# KiCad board Panel_R0.5.1_300x300_2layer_step1.kicad_pcb (continued)
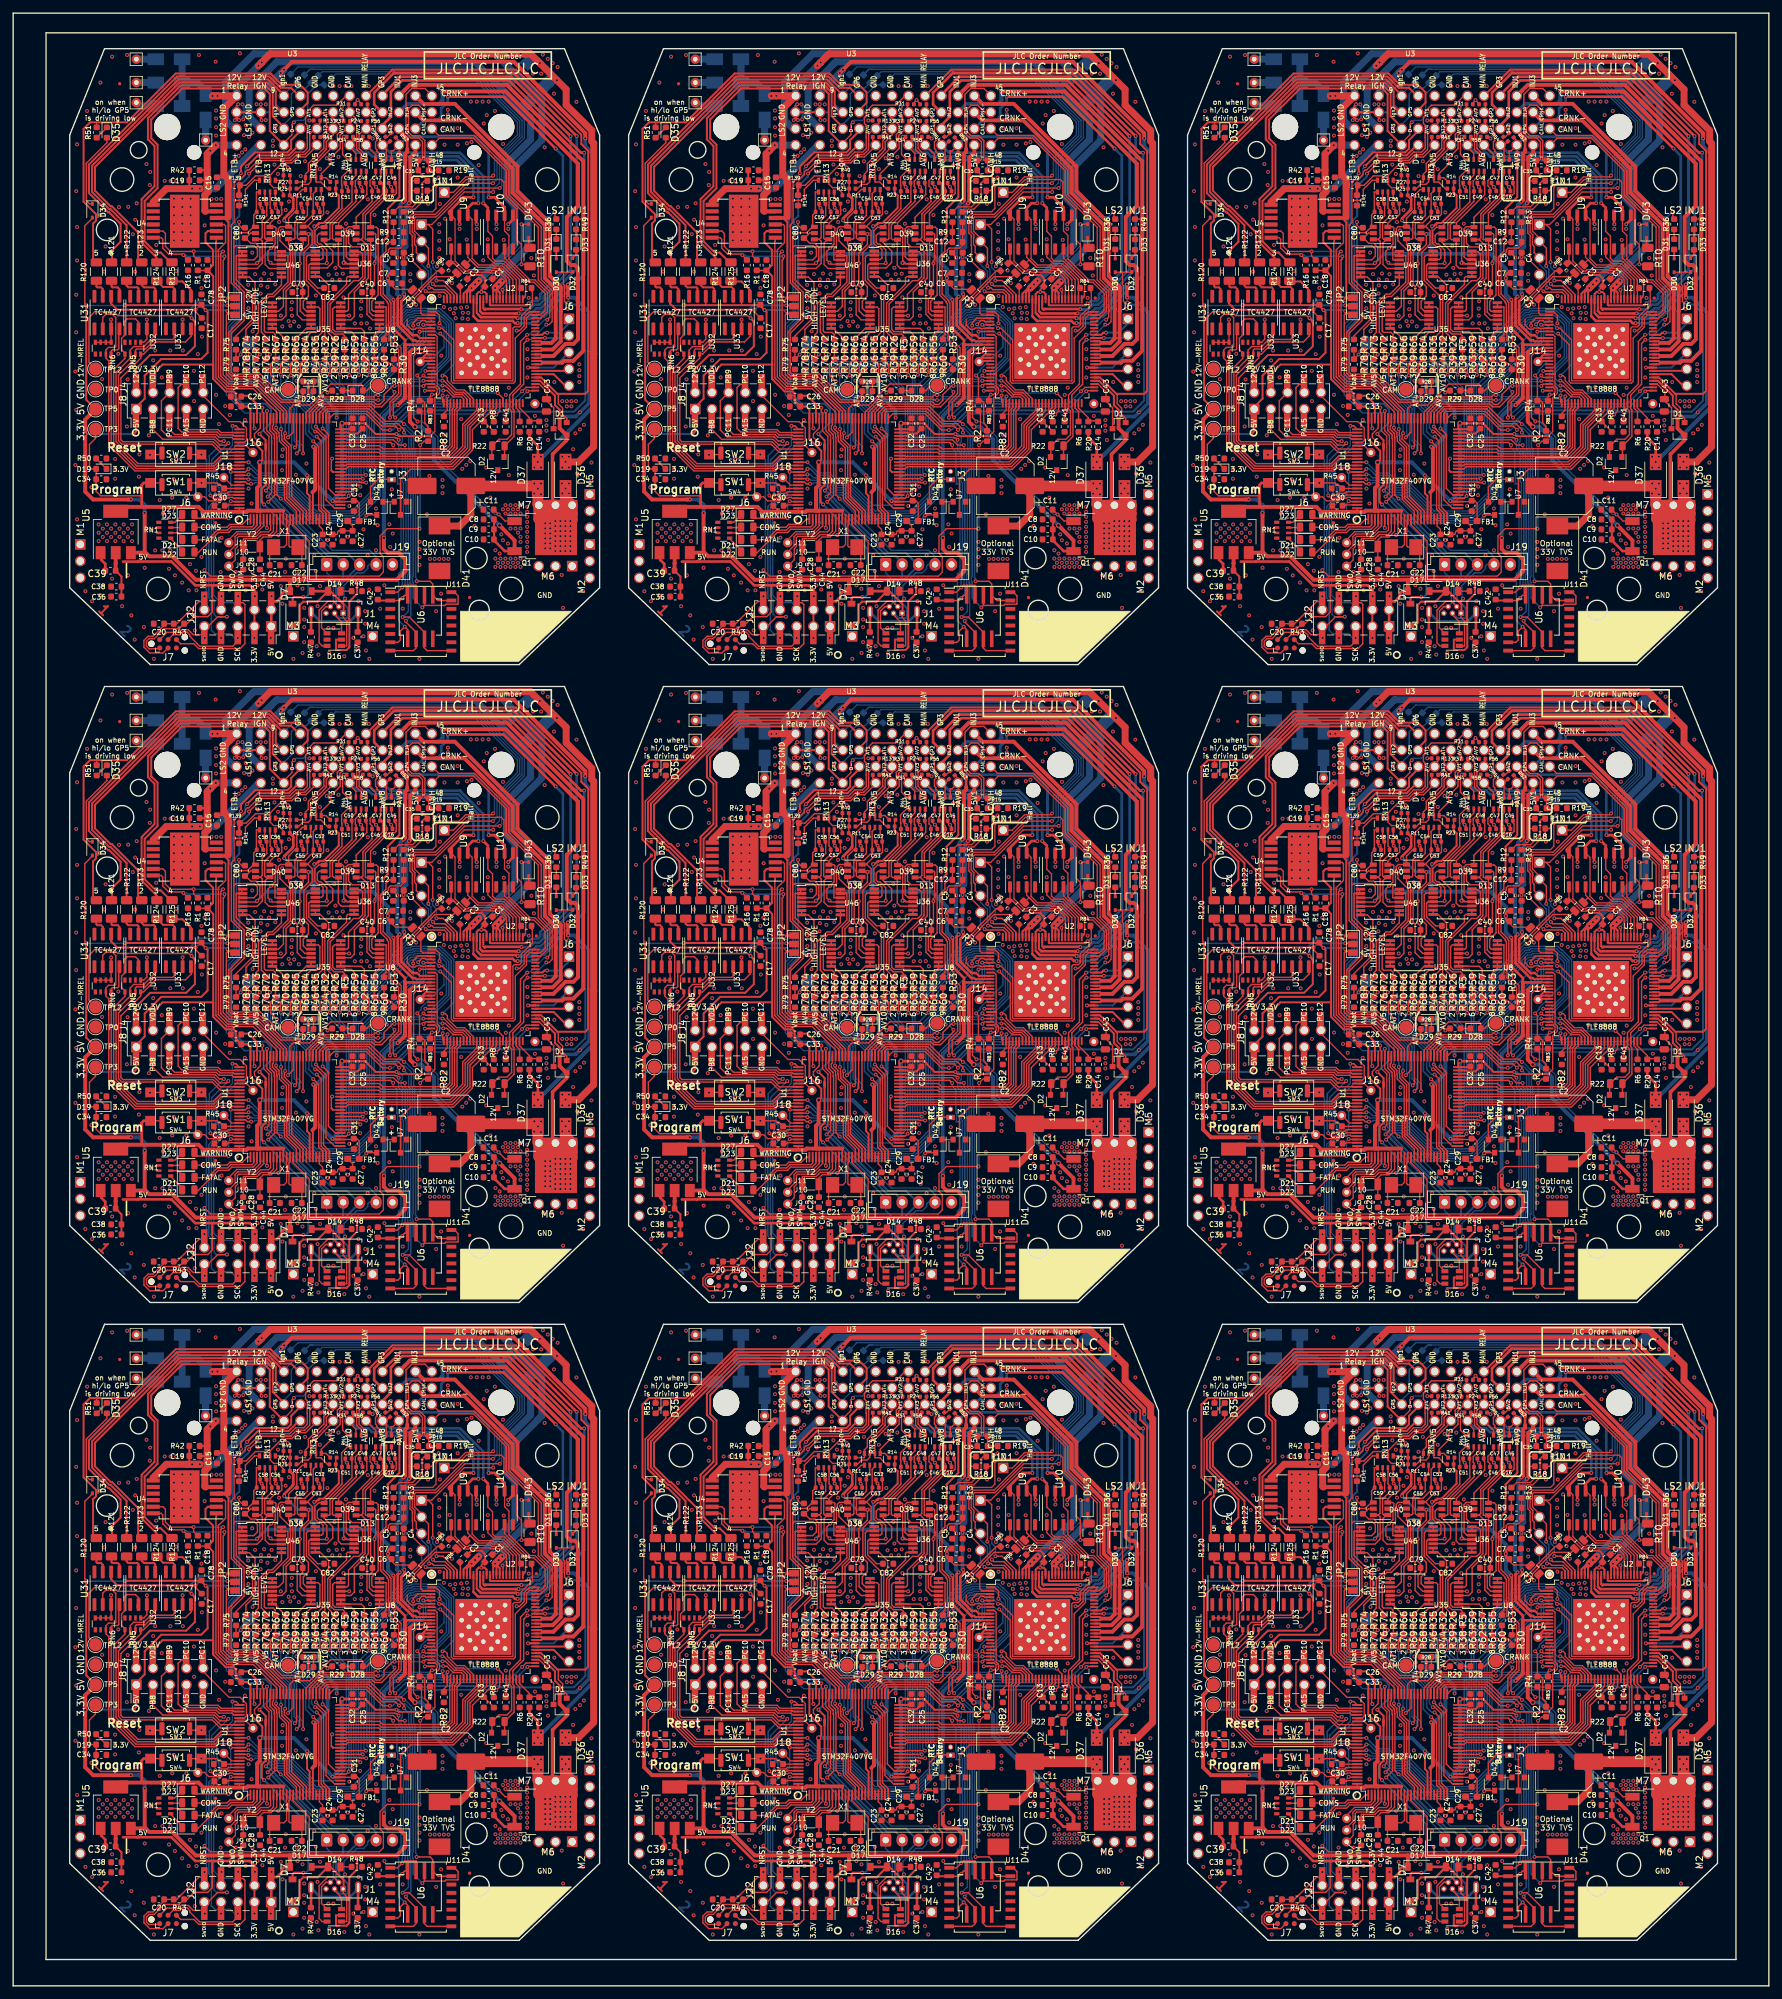
[diagram p0: board, top side]
## Routing (per net, layer and track width the routed paths; a pad name or vN(x,y) marks a point on that pad's centre or on a via; arc(x,y) is an arc through that point) (continued)
/CANH: length 586.1
  Top w0.203: 162.84,269.46 164.86,267.44 164.86,259.43 166.63,257.66 166.63,255.37 166.61,255.35 166.61,253.77 v1(166.22,253.38) ; 247.84,269.46 249.86,267.44 249.86,259.43 251.63,257.66 251.63,255.37 251.61,255.35 251.61,253.77 v1(251.22,253.38) ; 77.84,172.46 79.86,170.44 79.86,162.43 81.63,160.66 81.63,158.37 81.61,158.35 81.61,156.77 v1(81.22,156.38) ; 162.84,172.46 164.86,170.44 164.86,162.43 166.63,160.66 166.63,158.37 166.61,158.35 166.61,156.77 v1(166.22,156.38) ; v1(251.22,156.38) 251.61,156.77 251.61,158.35 251.63,158.37 251.63,160.66 249.86,162.43 249.86,170.44 247.84,172.46 ; v1(81.22,59.38) 81.61,59.77 81.61,61.35 81.63,61.37 81.63,63.66 79.86,65.43 79.86,73.44 77.84,75.46 ; 162.84,75.46 164.86,73.44 164.86,65.43 166.63,63.66 166.63,61.37 166.61,61.35 166.61,59.77 v1(166.22,59.38) ; 247.84,75.46 249.86,73.44 249.86,65.43 251.63,63.66 251.63,61.37 251.61,61.35 251.61,59.77 v1(251.22,59.38) ; v1(81.22,253.38) 81.61,253.77 81.61,255.35 81.63,255.37 81.63,257.66 79.86,259.43 79.86,267.44 77.84,269.46
  Top w0.216: 162.84,269.46 160,272.3 160,276 155.02,280.98 149.8,280.98 148.68,279.87 ; 157.8,234.19 157.8,232.5 ; R22#2.1 158.86,235.2 160.1,235.2 160.8,235.9 160.8,239.5 160.5,239.8 U2#2.46 160.5,241.95 162.15,243.6 162.15,250.07 v1(163.17,251.09) ; 247.84,269.46 245,272.3 245,276 240.02,280.98 234.8,280.98 233.68,279.87 ; 242.8,234.19 242.8,232.5 ; R22#3.1 243.86,235.2 245.1,235.2 245.8,235.9 245.8,239.5 245.5,239.8 U2#3.46 245.5,241.95 247.15,243.6 247.15,250.07 v1(248.17,251.09) ; 247.84,172.46 245,175.3 245,179 240.02,183.98 234.8,183.98 233.68,182.87 ; 77.84,172.46 75,175.3 75,179 70.02,183.98 64.8,183.98 63.68,182.87 ; 72.8,137.19 72.8,135.5 ; R22#6.1 73.86,138.2 75.1,138.2 75.8,138.9 75.8,142.5 75.5,142.8 U2#4.46 75.5,144.95 77.15,146.6 77.15,153.07 v1(78.17,154.09) ; 162.84,172.46 160,175.3 160,179 155.02,183.98 149.8,183.98 148.68,182.87 ; 157.8,137.19 157.8,135.5 ; R22#5.1 158.86,138.2 160.1,138.2 160.8,138.9 160.8,142.5 160.5,142.8 U2#6.46 160.5,144.95 162.15,146.6 162.15,153.07 v1(163.17,154.09) ; 242.8,137.19 242.8,135.5 ; R22#4.1 243.86,138.2 245.1,138.2 245.8,138.9 245.8,142.5 245.5,142.8 U2#5.46 245.5,144.95 247.15,146.6 247.15,153.07 v1(248.17,154.09) ; 247.84,75.46 245,78.3 245,82 240.02,86.98 234.8,86.98 233.68,85.87 ; 77.84,75.46 75,78.3 75,82 70.02,86.98 64.8,86.98 63.68,85.87 ; 72.8,40.19 72.8,38.5 ; R22#9.1 73.86,41.2 75.1,41.2 75.8,41.9 75.8,45.5 75.5,45.8 U2#7.46 75.5,47.95 77.15,49.6 77.15,56.07 v1(78.17,57.09) ; 162.84,75.46 160,78.3 160,82 155.02,86.98 149.8,86.98 148.68,85.87 ; v1(163.17,57.09) 162.15,56.07 162.15,49.6 160.5,47.95 U2#9.46 160.5,45.8 160.8,45.5 160.8,41.9 160.1,41.2 158.86,41.2 R22#8.1 ; 157.8,40.19 157.8,38.5 ; R22#7.1 243.86,41.2 245.1,41.2 245.8,41.9 245.8,45.5 245.5,45.8 U2#8.46 245.5,47.95 247.15,49.6 247.15,56.07 v1(248.17,57.09) ; 242.8,40.19 242.8,38.5 ; 63.68,279.87 64.8,280.98 70.02,280.98 75,276 75,272.3 77.84,269.46 ; v1(78.17,251.09) 77.15,250.07 77.15,243.6 75.5,241.95 U2.46 75.5,239.8 75.8,239.5 75.8,235.9 75.1,235.2 73.86,235.2 R22.1 ; 72.8,234.19 72.8,232.5
  Bottom w0.203: v1(163.17,251.09) 163.51,251.09 165.8,253.38 v1(166.22,253.38) ; v1(248.17,251.09) 248.51,251.09 250.8,253.38 v1(251.22,253.38) ; v1(78.17,154.09) 78.51,154.09 80.8,156.38 v1(81.22,156.38) ; v1(163.17,154.09) 163.51,154.09 165.8,156.38 v1(166.22,156.38) ; v1(251.22,156.38) 250.8,156.38 248.51,154.09 v1(248.17,154.09) ; v1(81.22,59.38) 80.8,59.38 78.51,57.09 v1(78.17,57.09) ; v1(163.17,57.09) 163.51,57.09 165.8,59.38 v1(166.22,59.38) ; v1(251.22,59.38) 250.8,59.38 248.51,57.09 v1(248.17,57.09) ; v1(78.17,251.09) 78.51,251.09 80.8,253.38 v1(81.22,253.38)
/CANL: length 580
  Top w0.203: 163.01,269.81 165.3,267.51 165.3,259.49 166.98,257.8 166.98,255.22 166.97,255.2 166.97,253.09 166.51,252.64 v1(166.09,252.64) ; v1(251.09,252.64) 251.51,252.64 251.97,253.09 251.97,255.2 251.98,255.22 251.98,257.8 250.3,259.49 250.3,267.51 248.01,269.81 ; 78.01,172.81 80.3,170.51 80.3,162.49 81.98,160.8 81.98,158.22 81.97,158.2 81.97,156.09 81.51,155.64 v1(81.09,155.64) ; v1(166.09,155.64) 166.51,155.64 166.97,156.09 166.97,158.2 166.98,158.22 166.98,160.8 165.3,162.49 165.3,170.51 163.01,172.81 ; 248.01,172.81 250.3,170.51 250.3,162.49 251.98,160.8 251.98,158.22 251.97,158.2 251.97,156.09 251.51,155.64 v1(251.09,155.64) ; v1(81.09,58.64) 81.51,58.64 81.97,59.09 81.97,61.2 81.98,61.22 81.98,63.8 80.3,65.49 80.3,73.51 78.01,75.81 ; v1(166.09,58.64) 166.51,58.64 166.97,59.09 166.97,61.2 166.98,61.22 166.98,63.8 165.3,65.49 165.3,73.51 163.01,75.81 ; v1(251.09,58.64) 251.51,58.64 251.97,59.09 251.97,61.2 251.98,61.22 251.98,63.8 250.3,65.49 250.3,73.51 248.01,75.81 ; v1(81.09,252.64) 81.51,252.64 81.97,253.09 81.97,255.2 81.98,255.22 81.98,257.8 80.3,259.49 80.3,267.51 78.01,269.81
  Top w0.216: 163.01,269.81 160.37,272.45 160.37,276.15 155.12,281.4 149.71,281.4 U3#2.47 ; v1(163.22,250.34) 162.64,249.76 162.64,243.57 161,241.93 U2#2.47 161,239.82 161.17,239.65 161.17,235.63 R22#2.2 159.74,232.59 D2#2.1 ; 248.01,269.81 245.37,272.45 245.37,276.15 240.12,281.4 234.71,281.4 U3#3.47 ; v1(248.22,250.34) 247.64,249.76 247.64,243.57 246,241.93 U2#3.47 246,239.82 246.17,239.65 246.17,235.63 R22#3.2 244.74,232.59 D2#3.1 ; D2#5.1 244.74,135.59 R22#4.2 246.17,138.63 246.17,142.65 246,142.82 U2#5.47 246,144.93 247.64,146.57 247.64,152.76 v1(248.22,153.34) ; 248.01,172.81 245.37,175.45 245.37,179.15 240.12,184.4 234.71,184.4 U3#5.47 ; 78.01,172.81 75.37,175.45 75.37,179.15 70.12,184.4 64.71,184.4 U3#4.47 ; v1(78.22,153.34) 77.64,152.76 77.64,146.57 76,144.93 U2#4.47 76,142.82 76.17,142.65 76.17,138.63 R22#6.2 74.74,135.59 D2#4.1 ; 163.01,172.81 160.37,175.45 160.37,179.15 155.12,184.4 149.71,184.4 U3#6.47 ; v1(163.22,153.34) 162.64,152.76 162.64,146.57 161,144.93 U2#6.47 161,142.82 161.17,142.65 161.17,138.63 R22#5.2 159.74,135.59 D2#6.1 ; D2#8.1 244.74,38.59 R22#7.2 246.17,41.63 246.17,45.65 246,45.82 U2#8.47 246,47.93 247.64,49.57 247.64,55.76 v1(248.22,56.34) ; 248.01,75.81 245.37,78.45 245.37,82.15 240.12,87.4 234.71,87.4 U3#7.47 ; 78.01,75.81 75.37,78.45 75.37,82.15 70.12,87.4 64.71,87.4 U3#8.47 ; v1(78.22,56.34) 77.64,55.76 77.64,49.57 76,47.93 U2#7.47 76,45.82 76.17,45.65 76.17,41.63 R22#9.2 74.74,38.59 D2#7.1 ; 163.01,75.81 160.37,78.45 160.37,82.15 155.12,87.4 149.71,87.4 U3#9.47 ; D2#9.1 159.74,38.59 R22#8.2 161.17,41.63 161.17,45.65 161,45.82 U2#9.47 161,47.93 162.64,49.57 162.64,55.76 v1(163.22,56.34) ; 78.01,269.81 75.37,272.45 75.37,276.15 70.12,281.4 64.71,281.4 U3.47 ; D2.1 74.74,232.59 R22.2 76.17,235.63 76.17,239.65 76,239.82 U2.47 76,241.93 77.64,243.57 77.64,249.76 v1(78.22,250.34)
  Bottom w0.203: v1(163.22,250.34) 163.79,250.34 v1(166.09,252.64) ; v1(248.22,250.34) 248.79,250.34 v1(251.09,252.64) ; v1(248.22,153.34) 248.79,153.34 v1(251.09,155.64) ; v1(78.22,153.34) 78.79,153.34 v1(81.09,155.64) ; v1(163.22,153.34) 163.79,153.34 v1(166.09,155.64) ; v1(248.22,56.34) 248.79,56.34 v1(251.09,58.64) ; v1(78.22,56.34) 78.79,56.34 v1(81.09,58.64) ; v1(163.22,56.34) 163.79,56.34 v1(166.09,58.64) ; v1(81.09,252.64) 78.79,250.34 v1(78.22,250.34)
/CRANK: length 241.8
  Top w0.203: U2#2.21 147.7,244.6 v1(147.4,244.9) ; U2#3.21 232.7,244.6 v1(232.4,244.9) ; U2#4.21 62.7,147.6 v1(62.4,147.9) ; U2#6.21 147.7,147.6 v1(147.4,147.9) ; U2#5.21 232.7,147.6 v1(232.4,147.9) ; U2#7.21 62.7,50.6 v1(62.4,50.9) ; U2#9.21 147.7,50.6 v1(147.4,50.9) ; v1(232.4,50.9) 232.7,50.6 U2#8.21 ; v1(62.4,244.9) 62.7,244.6 U2.21
  Top w0.216: v1(141.8,243.2) 140.7,243.2 TP4#2.1 140.3,243.2 139.4,243.2 138.8,242.6 D28#2.2 138.19,243.31 137.9,243.6 133.3,243.6 130.1,240.4 127.6,240.4 127.09,239.89 U1#2.63 ; U1#3.63 212.09,239.89 212.6,240.4 215.1,240.4 218.3,243.6 222.9,243.6 223.19,243.31 D28#3.2 223.8,242.6 224.4,243.2 225.3,243.2 TP4#3.1 225.7,243.2 v1(226.8,243.2) ; v1(56.8,146.2) 55.7,146.2 TP4#6.1 55.3,146.2 54.4,146.2 53.8,145.6 D28#4.2 53.19,146.31 52.9,146.6 48.3,146.6 45.1,143.4 42.6,143.4 42.09,142.89 U1#4.63 ; U1#6.63 127.09,142.89 127.6,143.4 130.1,143.4 133.3,146.6 137.9,146.6 138.19,146.31 D28#6.2 138.8,145.6 139.4,146.2 140.3,146.2 TP4#4.1 140.7,146.2 v1(141.8,146.2) ; U1#5.63 212.09,142.89 212.6,143.4 215.1,143.4 218.3,146.6 222.9,146.6 223.19,146.31 D28#5.2 223.8,145.6 224.4,146.2 225.3,146.2 TP4#5.1 225.7,146.2 v1(226.8,146.2) ; U1#7.63 42.09,45.89 42.6,46.4 45.1,46.4 48.3,49.6 52.9,49.6 53.19,49.31 D28#7.2 53.8,48.6 54.4,49.2 55.3,49.2 TP4#9.1 55.7,49.2 v1(56.8,49.2) ; U1#9.63 127.09,45.89 127.6,46.4 130.1,46.4 133.3,49.6 137.9,49.6 138.19,49.31 D28#9.2 138.8,48.6 139.4,49.2 140.3,49.2 TP4#8.1 140.7,49.2 v1(141.8,49.2) ; v1(226.8,49.2) 225.7,49.2 TP4#7.1 225.3,49.2 224.4,49.2 223.8,48.6 D28#8.2 223.19,49.31 222.9,49.6 218.3,49.6 215.1,46.4 212.6,46.4 212.09,45.89 U1#8.63 ; v1(56.8,243.2) 55.7,243.2 TP4.1 55.3,243.2 54.4,243.2 53.8,242.6 D28.2 53.19,243.31 52.9,243.6 48.3,243.6 45.1,240.4 42.6,240.4 42.09,239.89 U1.63
  Bottom w0.216: v1(147.4,244.9) 146.83,244.33 142.5,244.33 141.8,243.62 v1(141.8,243.2) ; v1(232.4,244.9) 231.83,244.33 227.5,244.33 226.8,243.62 v1(226.8,243.2) ; v1(62.4,147.9) 61.83,147.33 57.5,147.33 56.8,146.62 v1(56.8,146.2) ; v1(147.4,147.9) 146.83,147.33 142.5,147.33 141.8,146.62 v1(141.8,146.2) ; v1(232.4,147.9) 231.83,147.33 227.5,147.33 226.8,146.62 v1(226.8,146.2) ; v1(62.4,50.9) 61.83,50.33 57.5,50.33 56.8,49.62 v1(56.8,49.2) ; v1(147.4,50.9) 146.83,50.33 142.5,50.33 141.8,49.62 v1(141.8,49.2) ; v1(232.4,50.9) 231.83,50.33 227.5,50.33 226.8,49.62 v1(226.8,49.2) ; v1(62.4,244.9) 61.83,244.33 57.5,244.33 56.8,243.62 v1(56.8,243.2)
/CRNK+: length 261.6
  Top w0.203: 147.2,272 145.75,270.55 143.64,270.55 142.88,269.79 R12#2.1 ; 232.2,272 230.75,270.55 228.64,270.55 227.88,269.79 R12#3.1 ; 232.2,175 230.75,173.55 228.64,173.55 227.88,172.79 R12#5.1 ; 147.2,175 145.75,173.55 143.64,173.55 142.88,172.79 R12#4.1 ; 62.2,175 60.75,173.55 58.64,173.55 57.88,172.79 R12#6.1 ; 232.2,78 230.75,76.55 228.64,76.55 227.88,75.79 R12#7.1 ; R12#9.1 142.88,75.79 143.64,76.55 145.75,76.55 147.2,78 ; 62.2,78 60.75,76.55 58.64,76.55 57.88,75.79 R12#8.1 ; 62.2,272 60.75,270.55 58.64,270.55 57.88,269.79 R12.1
  Top w0.216: 147.2,272 147.2,274.15 147.55,274.5 R17#2.2 147.99,274.61 146.61,275.99 C35#2.1 R15#2.1 147.05,277.6 147.25,277.8 147.25,280.45 146.7,281 145.51,281 144.75,281.77 144.75,287.66 145.62,288.54 147.63,288.54 148.68,287.49 ; 232.2,272 232.2,274.15 232.55,274.5 R17#3.2 232.99,274.61 231.61,275.99 C35#3.1 R15#3.1 232.05,277.6 232.25,277.8 232.25,280.45 231.7,281 230.51,281 229.75,281.77 229.75,287.66 230.62,288.54 232.63,288.54 233.68,287.49 ; 232.2,175 232.2,177.15 232.55,177.5 R17#4.2 232.99,177.61 231.61,178.99 C35#5.1 R15#5.1 232.05,180.6 232.25,180.8 232.25,183.45 231.7,184 230.51,184 229.75,184.77 229.75,190.66 230.62,191.54 232.63,191.54 233.68,190.49 ; 147.2,175 147.2,177.15 147.55,177.5 R17#5.2 147.99,177.61 146.61,178.99 C35#4.1 R15#4.1 147.05,180.6 147.25,180.8 147.25,183.45 146.7,184 145.51,184 144.75,184.77 144.75,190.66 145.62,191.54 147.63,191.54 148.68,190.49 ; 62.2,175 62.2,177.15 62.55,177.5 R17#6.2 62.99,177.61 61.61,178.99 C35#6.1 R15#6.1 62.05,180.6 62.25,180.8 62.25,183.45 61.7,184 60.51,184 59.75,184.77 59.75,190.66 60.62,191.54 62.63,191.54 63.68,190.49 ; 232.2,78 232.2,80.15 232.55,80.5 R17#7.2 232.99,80.61 231.61,81.99 C35#7.1 R15#7.1 232.05,83.6 232.25,83.8 232.25,86.45 231.7,87 230.51,87 229.75,87.77 229.75,93.66 230.62,94.54 232.63,94.54 233.68,93.49 ; 147.2,78 147.2,80.15 147.55,80.5 R17#8.2 147.99,80.61 146.61,81.99 C35#9.1 R15#9.1 147.05,83.6 147.25,83.8 147.25,86.45 146.7,87 145.51,87 144.75,87.77 144.75,93.66 145.62,94.54 147.63,94.54 148.68,93.49 ; 62.2,78 62.2,80.15 62.55,80.5 R17#9.2 62.99,80.61 61.61,81.99 C35#8.1 R15#8.1 62.05,83.6 62.25,83.8 62.25,86.45 61.7,87 60.51,87 59.75,87.77 59.75,93.66 60.62,94.54 62.63,94.54 63.68,93.49 ; 63.68,287.49 62.63,288.54 60.62,288.54 59.75,287.66 59.75,281.77 60.51,281 61.7,281 62.25,280.45 62.25,277.8 62.05,277.6 R15.1 C35.1 61.61,275.99 62.99,274.61 R17.2 62.55,274.5 62.2,274.15 62.2,272
/CRNK-: length 246.3
  Top w0.203: R13#2.1 144.85,269.79 145.25,270.19 146.09,270.19 147.99,272.09 R18#2.2 148.6,273 148.9,273.3 148.9,276.1 C35#2.2 R19#2.2 ; R19#3.2 C35#3.2 233.9,276.1 233.9,273.3 233.6,273 R18#3.2 232.99,272.09 231.09,270.19 230.25,270.19 229.85,269.79 R13#3.1 ; R19#4.2 C35#5.2 233.9,179.1 233.9,176.3 233.6,176 R18#5.2 232.99,175.09 231.09,173.19 230.25,173.19 229.85,172.79 R13#5.1 ; R19#5.2 C35#4.2 148.9,179.1 148.9,176.3 148.6,176 R18#4.2 147.99,175.09 146.09,173.19 145.25,173.19 144.85,172.79 R13#4.1 ; R13#6.1 59.85,172.79 60.25,173.19 61.09,173.19 62.99,175.09 R18#6.2 63.6,176 63.9,176.3 63.9,179.1 C35#6.2 R19#6.2 ; R13#7.1 229.85,75.79 230.25,76.19 231.09,76.19 232.99,78.09 R18#7.2 233.6,79 233.9,79.3 233.9,82.1 C35#7.2 R19#7.2 ; R13#9.1 144.85,75.79 145.25,76.19 146.09,76.19 147.99,78.09 R18#9.2 148.6,79 148.9,79.3 148.9,82.1 C35#9.2 R19#8.2 ; R19#9.2 C35#8.2 63.9,82.1 63.9,79.3 63.6,79 R18#8.2 62.99,78.09 61.09,76.19 60.25,76.19 59.85,75.79 R13#8.1 ; R13.1 59.85,269.79 60.25,270.19 61.09,270.19 62.99,272.09 R18.2 63.6,273 63.9,273.3 63.9,276.1 C35.2 R19.2
  Top w0.216: C35#2.2 R15#2.2 147.75,277.6 147.61,277.74 147.61,280.61 146.85,281.37 145.67,281.37 145.11,281.92 145.11,285.44 145.68,286.01 146.66,286.01 147.73,284.95 148.68,284.95 ; 233.68,284.95 232.73,284.95 231.66,286.01 230.68,286.01 230.11,285.44 230.11,281.92 230.67,281.37 231.85,281.37 232.61,280.61 232.61,277.74 232.75,277.6 R15#3.2 C35#3.2 ; 233.68,187.95 232.73,187.95 231.66,189.01 230.68,189.01 230.11,188.44 230.11,184.92 230.67,184.37 231.85,184.37 232.61,183.61 232.61,180.74 232.75,180.6 R15#5.2 C35#5.2 ; 148.68,187.95 147.73,187.95 146.66,189.01 145.68,189.01 145.11,188.44 145.11,184.92 145.67,184.37 146.85,184.37 147.61,183.61 147.61,180.74 147.75,180.6 R15#4.2 C35#4.2 ; C35#6.2 R15#6.2 62.75,180.6 62.61,180.74 62.61,183.61 61.85,184.37 60.67,184.37 60.11,184.92 60.11,188.44 60.68,189.01 61.66,189.01 62.73,187.95 63.68,187.95 ; 233.68,90.95 232.73,90.95 231.66,92.01 230.68,92.01 230.11,91.44 230.11,87.92 230.67,87.37 231.85,87.37 232.61,86.61 232.61,83.74 232.75,83.6 R15#7.2 C35#7.2 ; 148.68,90.95 147.73,90.95 146.66,92.01 145.68,92.01 145.11,91.44 145.11,87.92 145.67,87.37 146.85,87.37 147.61,86.61 147.61,83.74 147.75,83.6 R15#9.2 C35#9.2 ; 63.68,90.95 62.73,90.95 61.66,92.01 60.68,92.01 60.11,91.44 60.11,87.92 60.67,87.37 61.85,87.37 62.61,86.61 62.61,83.74 62.75,83.6 R15#8.2 C35#8.2 ; C35.2 R15.2 62.75,277.6 62.61,277.74 62.61,280.61 61.85,281.37 60.67,281.37 60.11,281.92 60.11,285.44 60.68,286.01 61.66,286.01 62.73,284.95 63.68,284.95
/CS_TLE: length 505.5
  Top w0.216: U2#2.3 147.97,253.6 147.96,253.62 146.55,253.62 145.84,252.91 v1(145.84,252.49) ; U1#2.86 120.78,231.72 v1(120.8,231.7) ; v1(230.84,252.49) 230.84,252.91 231.55,253.62 232.96,253.62 232.98,253.6 U2#3.3 ; v1(205.8,231.7) 205.78,231.72 U1#3.86 ; U2#5.3 232.98,156.6 232.96,156.62 231.55,156.62 230.84,155.91 v1(230.84,155.49) ; U1#5.86 205.78,134.72 v1(205.8,134.7) ; v1(145.84,155.49) 145.84,155.91 146.55,156.62 147.96,156.62 147.97,156.6 U2#6.3 ; v1(120.8,134.7) 120.78,134.72 U1#6.86 ; U2#4.3 62.97,156.6 62.96,156.62 61.55,156.62 60.84,155.91 v1(60.84,155.49) ; U1#4.86 35.78,134.72 v1(35.8,134.7) ; v1(230.84,58.49) 230.84,58.91 231.55,59.62 232.96,59.62 232.98,59.6 U2#8.3 ; U1#8.86 205.78,37.72 v1(205.8,37.7) ; v1(145.84,58.49) 145.84,58.91 146.55,59.62 147.96,59.62 147.97,59.6 U2#9.3 ; U1#9.86 120.78,37.72 v1(120.8,37.7) ; v1(60.84,58.49) 60.84,58.91 61.55,59.62 62.96,59.62 62.97,59.6 U2#7.3 ; U1#7.86 35.78,37.72 v1(35.8,37.7) ; U2.3 62.97,253.6 62.96,253.62 61.55,253.62 60.84,252.91 v1(60.84,252.49) ; v1(35.8,231.7) 35.78,231.72 U1.86
  Bottom w0.216: v1(145.84,252.49) 145.84,249.82 138.8,242.78 138.8,230.5 139.35,229.95 139.35,227.14 136.5,224.29 131.09,224.29 126.81,228.57 125.66,228.57 124.16,230.07 122.43,230.07 v1(120.8,231.7) ; v1(205.8,231.7) 207.43,230.07 209.16,230.07 210.66,228.57 211.81,228.57 216.09,224.29 221.5,224.29 224.35,227.14 224.35,229.95 223.8,230.5 223.8,242.78 230.84,249.82 v1(230.84,252.49) ; v1(230.84,155.49) 230.84,152.82 223.8,145.78 223.8,133.5 224.35,132.95 224.35,130.14 221.5,127.29 216.09,127.29 211.81,131.57 210.66,131.57 209.16,133.07 207.43,133.07 v1(205.8,134.7) ; v1(120.8,134.7) 122.43,133.07 124.16,133.07 125.66,131.57 126.81,131.57 131.09,127.29 136.5,127.29 139.35,130.14 139.35,132.95 138.8,133.5 138.8,145.78 145.84,152.82 v1(145.84,155.49) ; v1(60.84,155.49) 60.84,152.82 53.8,145.78 53.8,133.5 54.35,132.95 54.35,130.14 51.5,127.29 46.09,127.29 41.81,131.57 40.66,131.57 39.16,133.07 37.43,133.07 v1(35.8,134.7) ; v1(205.8,37.7) 207.43,36.07 209.16,36.07 210.66,34.57 211.81,34.57 216.09,30.29 221.5,30.29 224.35,33.14 224.35,35.95 223.8,36.5 223.8,48.78 230.84,55.82 v1(230.84,58.49) ; v1(145.84,58.49) 145.84,55.82 138.8,48.78 138.8,36.5 139.35,35.95 139.35,33.14 136.5,30.29 131.09,30.29 126.81,34.57 125.66,34.57 124.16,36.07 122.43,36.07 v1(120.8,37.7) ; v1(35.8,37.7) 37.43,36.07 39.16,36.07 40.66,34.57 41.81,34.57 46.09,30.29 51.5,30.29 54.35,33.14 54.35,35.95 53.8,36.5 53.8,48.78 60.84,55.82 v1(60.84,58.49) ; v1(35.8,231.7) 37.43,230.07 39.16,230.07 40.66,228.57 41.81,228.57 46.09,224.29 51.5,224.29 54.35,227.14 54.35,229.95 53.8,230.5 53.8,242.78 60.84,249.82 v1(60.84,252.49)
/E-THROTTLE+: length 173.4
  Top w0.305: 114.5,276.16 114.45,276.11 R42#2.2 ; 114.5,274.63 114.45,274.58 C19#2.2 113.41,274.63 ; R42#3.2 199.45,276.11 199.5,276.16 ; 199.5,274.63 199.45,274.58 C19#3.2 198.41,274.63 ; 199.5,179.16 199.45,179.11 R42#4.2 ; 199.5,177.63 199.45,177.58 C19#5.2 198.41,177.63 ; R42#5.2 114.45,179.11 114.5,179.16 ; 29.5,179.16 29.45,179.11 R42#6.2 ; 29.5,177.63 29.45,177.58 C19#6.2 28.41,177.63 ; 114.5,177.63 114.45,177.58 C19#4.2 113.41,177.63 ; R42#8.2 114.45,82.11 114.5,82.16 ; 29.5,82.16 29.45,82.11 R42#9.2 ; 29.5,80.63 29.45,80.58 C19#9.2 28.41,80.63 ; 114.5,80.63 114.45,80.58 C19#8.2 113.41,80.63 ; 199.5,80.63 199.45,80.58 C19#7.2 198.41,80.63 ; R42#7.2 199.45,82.11 199.5,82.16 ; 29.5,274.63 29.45,274.58 C19.2 28.41,274.63 ; R42.2 29.45,276.11 29.5,276.16
  Top w0.6: U4#2.5 114.25,269.86 ; U4#3.5 199.25,269.86 ; U4#5.5 199.25,172.86 ; U4#4.5 114.25,172.86 ; U4#6.5 29.25,172.86 ; U4#8.5 114.25,75.86 ; U4#9.5 29.25,75.86 ; U4#7.5 199.25,75.86 ; U4.5 29.25,269.86
  Top w1.067: 114.25,269.86 114.15,269.96 114.15,272.34 114.66,272.85 114.66,273.72 ; v1(115.82,279.92) v1(114.99,279.08) 114.5,278.6 114.5,273.92 114.66,273.77 ; 199.25,269.86 199.15,269.96 199.15,272.34 199.66,272.85 199.66,273.72 ; v1(200.82,279.92) v1(199.99,279.08) 199.5,278.6 199.5,273.92 199.66,273.77 ; 199.25,172.86 199.15,172.96 199.15,175.34 199.66,175.85 199.66,176.72 ; v1(200.82,182.92) v1(199.99,182.08) 199.5,181.6 199.5,176.92 199.66,176.77 ; 29.25,172.86 29.15,172.96 29.15,175.34 29.66,175.85 29.66,176.72 ; v1(30.82,182.92) v1(29.99,182.08) 29.5,181.6 29.5,176.92 29.66,176.77 ; 114.25,172.86 114.15,172.96 114.15,175.34 114.66,175.85 114.66,176.72 ; v1(115.82,182.92) v1(114.99,182.08) 114.5,181.6 114.5,176.92 114.66,176.77 ; 29.66,79.77 29.5,79.92 29.5,84.6 v1(29.99,85.08) v1(30.82,85.92) ; 29.25,75.86 29.15,75.96 29.15,78.34 29.66,78.85 29.66,79.72 ; v1(115.82,85.92) v1(114.99,85.08) 114.5,84.6 114.5,79.92 114.66,79.77 ; 114.25,75.86 114.15,75.96 114.15,78.34 114.66,78.85 114.66,79.72 ; 199.25,75.86 199.15,75.96 199.15,78.34 199.66,78.85 199.66,79.72 ; v1(200.82,85.92) v1(199.99,85.08) 199.5,84.6 199.5,79.92 199.66,79.77 ; 29.66,273.77 29.5,273.92 29.5,278.6 v1(29.99,279.08) v1(30.82,279.92) ; 29.25,269.86 29.15,269.96 29.15,272.34 29.66,272.85 29.66,273.72
  Bottom w1.067: v1(114.99,279.08) v1(115.82,279.92) 115.84,279.93 118.98,279.93 ; 203.98,279.93 200.84,279.93 v1(200.82,279.92) v1(199.99,279.08) ; v1(199.99,182.08) v1(200.82,182.92) 200.84,182.93 203.98,182.93 ; v1(29.99,182.08) v1(30.82,182.92) 30.84,182.93 33.98,182.93 ; 118.98,182.93 115.84,182.93 v1(115.82,182.92) v1(114.99,182.08) ; v1(29.99,85.08) v1(30.82,85.92) 30.84,85.93 33.98,85.93 ; v1(114.99,85.08) v1(115.82,85.92) 115.84,85.93 118.98,85.93 ; v1(199.99,85.08) v1(200.82,85.92) 200.84,85.93 203.98,85.93 ; 33.98,279.93 30.84,279.93 v1(30.82,279.92) v1(29.99,279.08)
/E-THROTTLE-: length 249.3
  Top w0.216: 110.58,273.38 110.58,273.25 ; 195.58,273.38 195.58,273.25 ; 195.58,176.38 195.58,176.25 ; 25.58,176.38 25.58,176.25 ; 110.58,176.38 110.58,176.25 ; 25.58,79.38 25.58,79.25 ; 110.58,79.38 110.58,79.25 ; 195.58,79.38 195.58,79.25 ; 25.58,273.38 25.58,273.25
  Top w0.305: v1(112.22,273.31) 111.79,273.74 R42#2.1 ; 106.27,271.28 106.3,271.25 U4#2.7 ; 191.27,271.28 191.3,271.25 U4#3.7 ; v1(197.22,273.31) 196.79,273.74 R42#3.1 ; 191.27,174.28 191.3,174.25 U4#5.7 ; v1(197.22,176.31) 196.79,176.74 R42#4.1 ; v1(27.22,176.31) 26.79,176.74 R42#6.1 ; 21.27,174.28 21.3,174.25 U4#6.7 ; 106.27,174.28 106.3,174.25 U4#4.7 ; v1(112.22,176.31) 111.79,176.74 R42#5.1 ; U4#9.7 21.3,77.25 21.27,77.28 ; R42#9.1 26.79,79.74 v1(27.22,79.31) ; 106.27,77.28 106.3,77.25 U4#8.7 ; v1(112.22,79.31) 111.79,79.74 R42#8.1 ; 191.27,77.28 191.3,77.25 U4#7.7 ; v1(197.22,79.31) 196.79,79.74 R42#7.1 ; 21.27,271.28 21.3,271.25 U4.7 ; R42.1 26.79,273.74 v1(27.22,273.31)
  Top w1.067: 106.27,271.28 108.31,273.31 v1(113.39,273.31) 111.46,273.31 ; 191.27,271.28 193.31,273.31 v1(198.39,273.31) 196.46,273.31 ; 196.46,176.31 v1(198.39,176.31) 193.31,176.31 191.27,174.28 ; 21.27,174.28 23.31,176.31 v1(28.39,176.31) 26.46,176.31 ; 106.27,174.28 108.31,176.31 v1(113.39,176.31) 111.46,176.31 ; 21.27,77.28 23.31,79.31 v1(28.39,79.31) 26.46,79.31 ; 111.46,79.31 v1(113.39,79.31) 108.31,79.31 106.27,77.28 ; 196.46,79.31 v1(198.39,79.31) 193.31,79.31 191.27,77.28 ; 26.46,273.31 v1(28.39,273.31) 23.31,273.31 21.27,271.28
  Bottom w1.067: v1(113.39,273.31) v1(112.22,273.31) 115.77,273.31 122.32,279.87 122.62,279.87 ; v1(198.39,273.31) v1(197.22,273.31) 200.77,273.31 207.32,279.87 207.62,279.87 ; v1(198.39,176.31) v1(197.22,176.31) 200.77,176.31 207.32,182.87 207.62,182.87 ; v1(28.39,176.31) v1(27.22,176.31) 30.77,176.31 37.32,182.87 37.62,182.87 ; v1(113.39,176.31) v1(112.22,176.31) 115.77,176.31 122.32,182.87 122.62,182.87 ; v1(28.39,79.31) v1(27.22,79.31) 30.77,79.31 37.32,85.87 37.62,85.87 ; v1(113.39,79.31) v1(112.22,79.31) 115.77,79.31 122.32,85.87 122.62,85.87 ; v1(198.39,79.31) v1(197.22,79.31) 200.77,79.31 207.32,85.87 207.62,85.87 ; 37.62,279.87 37.32,279.87 30.77,273.31 v1(27.22,273.31) v1(28.39,273.31)
/FlashMemory/CS: length 389.5
  Top w0.216: U1#2.46 142.4,234.72 v1(142.8,234.31) ; U6#2.1 145.01,206.24 v1(144.55,206.69) 143.88,206.02 143.88,204.68 143.53,204.32 U11#2.7 ; U1#3.46 227.4,234.72 v1(227.8,234.31) ; U11#3.7 228.52,204.32 228.88,204.68 228.88,206.02 v1(229.55,206.69) 230.01,206.24 U6#3.1 ; U1#5.46 227.4,137.72 v1(227.8,137.31) ; U6#5.1 230.01,109.24 v1(229.55,109.69) 228.88,109.02 228.88,107.68 228.52,107.32 U11#5.7 ; U1#4.46 57.4,137.72 v1(57.8,137.31) ; U6#4.1 60.01,109.24 v1(59.55,109.69) 58.88,109.02 58.88,107.68 58.53,107.32 U11#6.7 ; U1#6.46 142.4,137.72 v1(142.8,137.31) ; U11#4.7 143.53,107.32 143.88,107.68 143.88,109.02 v1(144.55,109.69) 145.01,109.24 U6#6.1 ; U1#7.46 57.4,40.72 v1(57.8,40.31) ; U6#7.1 60.01,12.24 v1(59.55,12.69) 58.88,12.02 58.88,10.68 58.53,10.32 U11#9.7 ; U1#9.46 142.4,40.72 v1(142.8,40.31) ; U11#8.7 143.53,10.32 143.88,10.68 143.88,12.02 v1(144.55,12.69) 145.01,12.24 U6#9.1 ; U1#8.46 227.4,40.72 v1(227.8,40.31) ; U11#7.7 228.52,10.32 228.88,10.68 228.88,12.02 v1(229.55,12.69) 230.01,12.24 U6#8.1 ; U6.1 60.01,206.24 v1(59.55,206.69) 58.88,206.02 58.88,204.68 58.53,204.32 U11.7 ; v1(57.8,234.31) 57.4,234.72 U1.46
  Bottom w0.216: v1(142.8,234.31) 142.8,233.89 143.36,233.33 143.36,229.73 143.42,229.73 143.47,229.67 143.47,228.46 143.42,228.4 143.99,228.4 143.99,215.15 143.61,214.76 143.61,207.63 v1(144.55,206.69) ; v1(227.8,234.31) 227.8,233.89 228.36,233.33 228.36,229.73 228.42,229.73 228.47,229.67 228.47,228.46 228.42,228.4 228.99,228.4 228.99,215.15 228.61,214.76 228.61,207.63 v1(229.55,206.69) ; v1(229.55,109.69) 228.61,110.63 228.61,117.76 228.99,118.15 228.99,131.4 228.42,131.4 228.47,131.46 228.47,132.67 228.42,132.73 228.36,132.73 228.36,136.33 227.8,136.89 v1(227.8,137.31) ; v1(57.8,137.31) 57.8,136.89 58.36,136.33 58.36,132.73 58.42,132.73 58.47,132.67 58.47,131.46 58.42,131.4 58.99,131.4 58.99,118.15 58.61,117.76 58.61,110.63 v1(59.55,109.69) ; v1(142.8,137.31) 142.8,136.89 143.36,136.33 143.36,132.73 143.42,132.73 143.47,132.67 143.47,131.46 143.42,131.4 143.99,131.4 143.99,118.15 143.61,117.76 143.61,110.63 v1(144.55,109.69) ; v1(229.55,12.69) 228.61,13.63 228.61,20.76 228.99,21.15 228.99,34.4 228.42,34.4 228.47,34.46 228.47,35.67 228.42,35.73 228.36,35.73 228.36,39.33 227.8,39.89 v1(227.8,40.31) ; v1(57.8,40.31) 57.8,39.89 58.36,39.33 58.36,35.73 58.42,35.73 58.47,35.67 58.47,34.46 58.42,34.4 58.99,34.4 58.99,21.15 58.61,20.76 58.61,13.63 v1(59.55,12.69) ; v1(144.55,12.69) 143.61,13.63 143.61,20.76 143.99,21.15 143.99,34.4 143.42,34.4 143.47,34.46 143.47,35.67 143.42,35.73 143.36,35.73 143.36,39.33 142.8,39.89 v1(142.8,40.31) ; v1(59.55,206.69) 58.61,207.63 58.61,214.76 58.99,215.15 58.99,228.4 58.42,228.4 58.47,228.46 58.47,229.67 58.42,229.73 58.36,229.73 58.36,233.33 57.8,233.89 v1(57.8,234.31)
